# Allegro board RK_NVR_DEMO1_RK3588_LP4XD200P232SD8_V21_20211228_final_lint.brd (continued)
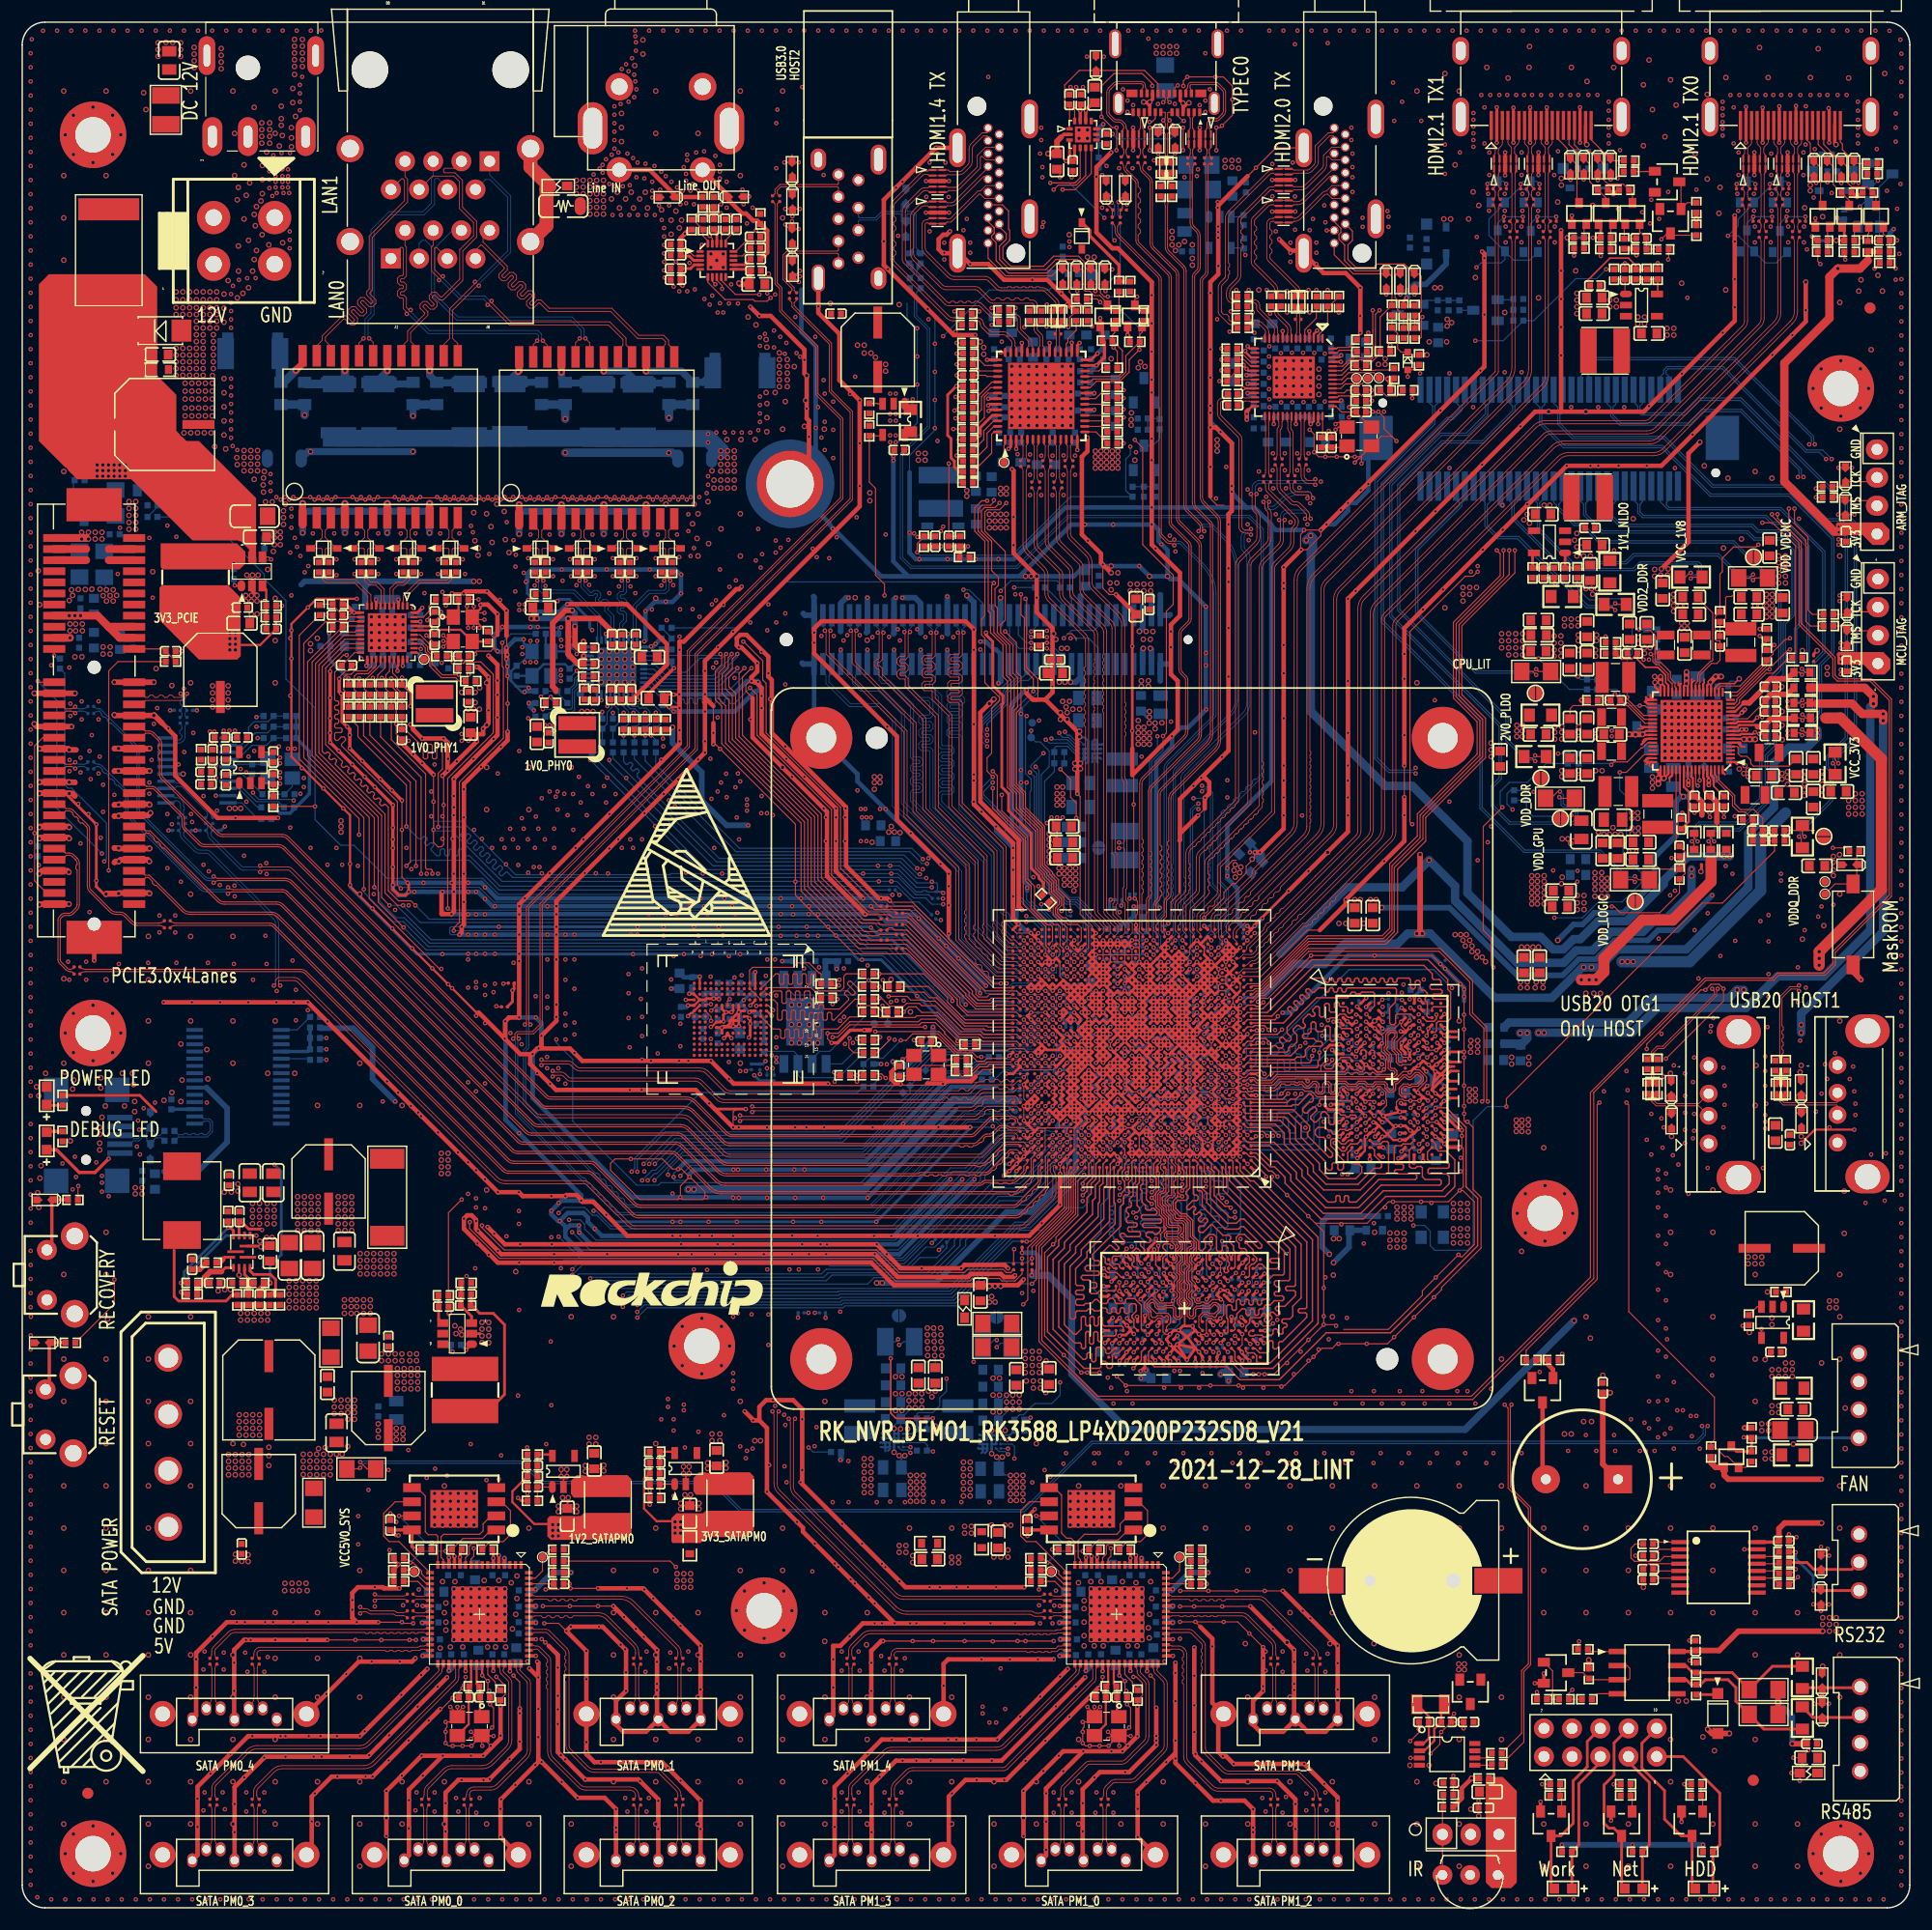
[diagram p0: board, top side]
## Nets (continued)
GND: C1000.2 C1001.2 C1002.2 C1003.2 C1004.2 C1005.2 C1006.2 C1007.2 C1010.2 C1013.2 C1014.2 C1015.2 C1016.2 C1017.2 C1018.2 C1019.2 C1020.2 C1022.2 C1023.2 C1024.2 C1025.2 C1027.2 C1028.2 C1029.2 C1030.2 C1031.2 C1032.2 C1033.2 C1034.2 C1035.2 C1036.2 C1037.2 C1038.2 C1039.2 C1040.2 C1041.2 C1042.2 C1043.2 C1045.2 C1046.2 C1047.2 C1048.2 C1049.2 C1050.2 C1051.2 C1052.2 C1054.2 C1057.2 C1058.2 C1059.2 C1060.2 C1061.2 C1062.2 C1063.2 C1064.2 C1065.2 C1066.2 C1069.2 C1070.2 C1071.2 C1072.2 C1073.2 C1080.2 C1081.2 C1082.2 C1083.2 C1085.2 C1086.2 C1100.2 C1101.2 C1102.2 C1103.2 C1104.2 C1105.2 C1106.2 C1107.2 C1109.2 C1110.2 C1111.2 C1112.2 C1113.2 C1200.2 C1201.2 C1202.2 C1203.2 C1204.2 C1205.2 C1206.2 C1207.2 C1208.2 C1209.2 C1210.2 C1211.2 C1212.2 C1213.2 C1214.2 C1215.2 C1216.2 C1217.2 C1218.2 C1219.2 C1220.2 C1221.2 C1223.2 C1224.2 C1225.2 C1226.2 C1227.2 C1228.2 C1229.2 C1231.2 C1232.2 C1300.2 C1301.2 C1302.2 C1404.2 C1405.2 C1406.2 C1407.2 C1412.2 C1417.2 C1418.2 C1419.2 C1420.2 C1421.2 C1422.2 C1423.2 C1500.2 C1501.2 C1502.2 C1503.2 C1504.2 C1505.2 C1506.2 C1600.2 C1601.2 C1602.2 C1603.2 C1604.2 C1606.2 C1607.2 C1608.2 C1609.2 C1610.2 C1611.2 C1709.2 C1710.2 C1711.2 C1713.2 C1714.2 C1715.2 C1724.2 C1725.2 C1726.2 C1727.2 C1729.2 C1730.2 C1731.2 C1801.2 C1803.2 C1804.2 C1805.2 C1806.2 C1807.2 C1808.2 C1810.2 C1812.2 C1813.2 C1814.2 C1815.2 C1816.2 C1819.2 C1901.2 C1902.2 C1903.2 C1905.2 C2000.2 C2001.2 C2002.2 C2003.2 C2004.2 C2005.2 C2006.2 C2007.2 C2009.2 C2010.2 C2011.2 C2012.2 C2013.2 C2014.2 C2015.2 C2017.2 C2019.2 C2020.2 C2022.2 C2023.2 C2024.2 C2025.2 C2027.2 C2028.2 C2030.2 C2032.2 C2033.2 C2034.2 C2035.2 C2100.2 C2102.2 C2103.2 C2104.2 C2105.2 C2106.2 C2107.2 C2109.2 C2110.2 C2111.2 C2114.2 C2115.2 C2116.2 C2117.2 C2120.2 C2121.2 C2122.2 C2123.2 C2126.2 C2127.2 C2128.2 C2129.2 C2130.2 C2133.2 C2134.2 C2135.2 C2136.2 C2138.2 C2139.2 C2140.2 C2141.2 C2142.2 C2144.2 C2145.2 C2146.2 C2147.2 C2148.2 C2149.2 C2150.2 C2151.2 C2152.2 C2153.2 C2154.2 C2155.2 C2156.2 C2157.2 C2158.2 C2159.2 C2160.2 C2161.2 C2162.2 C2163.2 C2164.2 C2165.2 C2166.2 C2167.2 C2168.2 C2169.2 C2170.2 C2171.2 C2172.2 C2173.2 C2200.2 C2201.2 C2202.2 C2203.2 C2205.2 C2206.2 C2207.2 C2208.2 C2209.2 C2211.2 C2212.2 C2213.2 C2214.2 C2215.2 C2218.2 C2219.2 C2221.2 C2222.2 C2223.2 C2224.2 C2225.2 C2227.2 C2228.2 C2229.2 C2230.2 C2503.2 C2504.2 C2505.2 C2506.2 C2507.2 C2508.2 C2511.2 C2512.2 C2513.2 C2515.2 C2516.2 C2517.2 C2518.2 C2519.2 C2520.2 C2521.2 C2526.2 C2528.2 C3800.2 C3801.2 C3802.2 C3803.2 C3804.2 C3805.2 C3806.2 C3807.2 C3808.2 C3809.2 C3810.2 C3811.2 C3812.2 C3813.2 C3814.2 C3815.2 C3816.2 C3817.2 C3818.2 C3819.2 C3820.2 C3821.2 C3822.2 C3823.2 C3824.2 C3825.2 C3826.2 C3827.2 C3828.2 C3829.2 C3830.2 C3831.2 C3832.2 C3833.2 C3834.2 C3835.2 C3836.2 C3837.2 C3838.2 C3839.2 C3840.2 C3841.2 C3842.2 C3843.2 C3844.2 C3845.2 C3846.2 C3847.2 C3848.2 C3849.2 C3850.2 C3851.2 C3852.2 C3853.2 C3854.2 C3855.2 C3856.2 C3857.2 C3858.2 C3859.2 C3860.2 C3861.2 C3862.2 C3863.2 C3864.2 C3865.2 C3866.2 C3867.2 C3868.2 C3869.2 C3870.2 C3871.2 C3872.2 C3873.2 C3874.2 C3875.2 C3876.2 C3877.2 C3878.2 C3879.2 C3880.2 C3881.2 C3882.2 C3883.2 C3884.2 C3885.2 C3886.2 C3887.2 C3888.2 C4000.2 C4001.2 C4002.2 C4003.2 C4004.2 C4005.2 C4006.2 C4007.2 C4008.2 C4009.2 C4010.2 C4300.2 C4301.2 C4700.2 C4701.2 C4702.2 C4703.2 C4704.2 C4705.2 C4706.2 C4707.2 C5000.2 C5001.2 C5102.2 C5104.2 C5105.2 C5106.2 C5107.2 C5109.2 C5110.2 C5111.2 C5112.2 C5113.2 C5114.2 C5115.2 C5116.2 C5117.2 C5118.2 C5119.2 C5121.2 C5122.2 C5123.2 C5124.2 C5125.2 C5126.2 C5127.2 C5128.2 C5129.2 C5130.2 C5131.2 C5132.2 C5133.2 C5134.2 C5135.2 C5136.2 C5137.2 C5138.2 C5139.2 C5140.2 C5141.2 C5142.2 C5500.2 C5502.2 C5503.2 C5505.2 C5506.2 C5507.2 C5508.2 C5509.2 C5510.2 C5511.2 C5512.2 C5513.2 C5514.2 C5516.2 C5517.2 C5518.2 C5519.2 C5520.2 C5521.2 C5522.2 C5523.2 C5524.2 C5525.2 C5526.2 C5527.2 C5528.2 C5529.2 C5530.2 C5531.2 C5532.2 C5533.2 C6700.2 C6701.2 C6702.2 C6703.2 C6704.2 C6705.2 C6706.2 C6707.2 C6708.2 C6709.2 C6710.2 C6711.2 C6712.2 C6713.2 C6714.2 C6715.2 C6716.2 C6717.2 C6718.2 C6719.2 C6720.2 C6721.2 C6722.2 C6723.2 C6724.2 C6726.2 C6800.2 C6801.2 C6802.2 C6803.2 C6804.2 C6805.2 C6806.2 C6807.2 C6808.2 C6809.2 C6810.2 C6811.2 C6812.2 C6813.2 C6814.2 C6815.2 C6816.2 C6817.2 C6818.2 C6819.2 C6820.2 C6821.2 C6822.2 C6823.2 C6826.2 C7001.2 C7002.2 C7003.2 C7004.2 C7006.2 C7007.2 C7008.2 C7009.2 C7010.2 C7011.2 C7012.2 C8204.2 C8209.2 C8211.2 C8213.2 C8224.2 C8226.2 C8227.2 C8228.2 C8229.2 C8230.2 C8231.2 C8232.2 C8233.2 C8234.2 C8235.2 C8236.2 C8237.2 C8242.2 C8244.2 C8245.2 C8246.2 C8247.2 C8248.2 C8249.2 C8250.2 C8251.2 C8252.2 C8253.2 C8254.2 C8255.2 C8304.2 C8308.2 C8311.2 C8313.2 C8324.2 C8325.2 C8326.2 C8327.2 C8328.2 C8329.2 C8330.2 C8331.2 C8332.2 C8333.2 C8334.2 C8339.2 C8340.2 C8341.2 C8342.2 C8343.2 C8344.2 C8345.2 C8346.2 C8347.2 C8348.2 C8349.2 C8400.2 C8409.2 C8410.2 C8411.2 C8412.2 C8413.2 C8414.2 C8415.2 C8416.2 C8417.2 C8418.2 C8419.2 C8420.2 C8421.2 C8422.2 C8423.2 C8424.2 C8425.2 C8426.2 C8427.2 C8429.2 C8431.2 C8432.2 C8433.2 C8435.2 C8436.2 C8437.2 C9000.2 C9001.2 C9002.2 C9100.2 C9101.2 C9102.2 C9103.2 C9104.2 C9105.2 C9106.2 C9500.2 C9502.2 C9504.1 C9505.2 C9507.1 C9900.2 C9901.2 D1500.2 D2000.1(A) D2504.2 D2505.2 D2506.2 D2507.2 D2508.2 D2509.2 D2510.2 D2511.2 D2512.2 D2513.2 D2514.2 D2515.2 D2516.2 D2517.2 D2518.2 D2519.2 D6700.2 D6701.2 D6702.2 D6703.2 D6704.2 D6705.2 D6706.2 D6707.2 D6800.2 D6801.2 D6802.2 D6803.2 D6804.2 D6805.2 D6806.2 D6807.2 D7000.2 D7001.2 D9100.2 D9101.2 D9102.2 D9103.2 D9104.2 D9105.2 D9200.2 D9201.2 ED2100.2 ED2500.3(GND#3) ED2500.8(GND#8) ED2501.3(GND#3) ED2501.8(GND#8) ED5000.3(GND#3) ED5000.8(GND#8) ED5001.3(GND#3) ED5001.8(GND#8) ED5002.2 ED5003.2 ED5004.2 ED5005.2 ED5006.3(GND#3) ED5006.8(GND#8) ED5007.3(GND#3) ED5007.8(GND#8) ED5008.2 ED5009.2 ED5010.2 ED5011.2 ED5100.3(GND#3) ED5100.8(GND#8) ED5101.3(GND#3) ED5101.8(GND#8) ED5102.2 ED5103.2 ED5104.2 ED5500.3(GND#3) ED5500.8(GND#8) ED5501.3(GND#3) ED5501.8(GND#8) ED5502.2 ED5503.2 ED5504.2 ED5505.2 ED9500.2 ED9501.2 ED9502.2 ED9503.2 FB6700.1 FB9500.2 H9900.1 H9901.1 H9902.1 H9903.1 H9904.1 H9905.1 H9906.1 H9907.1 IR9000.2(G) J2000.2 J2000.3 J2000.4 J2000.5 J2001.1(COM1) J2001.2(COM2) J2002.2(GND1) J2002.3(GND2) J2201.2 J2500.A1(GND#A1) J2500.A12(GND#A12) J2500.B1(GND#B1) J2500.B12(GND#B12) J2500.H1(HOLE_1) J2500.H2(HOLE_2) J2500.H3(HOLE_3) J2500.H4(HOLE_4) J2501.4(GND4) J2501.7(GND) J2501.10(G1) J2501.11(G2) J2501.12(G3) J2501.13(G4) J2502.4 J2502.5 J2502.6 J2503.4 J2503.5 J2503.6 J5000.2(D2_G) J5000.5(D1_G) J5000.8(D0_G) J5000.11(CLK_G) J5000.17(GND) J5000.20(G1) J5000.21(G2) J5000.22(G3) J5000.23(G4) J5001.2(D2_G) J5001.5(D1_G) J5001.8(D0_G) J5001.11(CLK_G) J5001.17(GND) J5001.20(G1) J5001.21(G2) J5001.22(G3) J5001.23(G4) J5100.2(D2_G) J5100.5(D1_G) J5100.8(D0_G) J5100.11(CLK_G) J5100.17(GND) J5100.20(G1) J5100.21(G2) J5100.22(G3) J5100.23(G4) J5500.2(D2_G) J5500.5(D1_G) J5500.8(D0_G) J5500.11(CLK_G) J5500.17(GND) J5500.20(G1) J5500.21(G2) J5500.22(G3) J5500.23(G4) J7000.1 J7000.4 J8200.1(GND1) J8200.4(GND2) J8200.7(GND3) J8200.8(GND4) J8200.9(GND5) J8201.1(GND1) J8201.4(GND2) J8201.7(GND3) J8201.8(GND4) J8201.9(GND5) J8202.1(GND1) J8202.4(GND2) J8202.7(GND3) J8202.8(GND4) J8202.9(GND5) J8203.1(GND1) J8203.4(GND2) J8203.7(GND3) J8203.8(GND4) J8203.9(GND5) J8204.1(GND1) J8204.4(GND2) J8204.7(GND3) J8204.8(GND4) J8204.9(GND5) J8300.1(GND1) J8300.4(GND2) J8300.7(GND3) J8300.8(GND4) J8300.9(GND5) J8301.1(GND1) J8301.4(GND2) J8301.7(GND3) J8301.8(GND4) J8301.9(GND5) J8302.1(GND1) J8302.4(GND2) J8302.7(GND3) J8302.8(GND4) J8302.9(GND5) J8303.1(GND1) J8303.4(GND2) J8303.7(GND3) J8303.8(GND4) J8303.9(GND5) J8304.1(GND1) J8304.4(GND2) J8304.7(GND3) J8304.8(GND4) J8304.9(GND5) J8400.1(G1) J8400.2(G2) J8400.A1(PRSNT1#) J8400.A4(GND_A4) J8400.A12(GND_A12) J8400.A15(GND_A15) J8400.A18(GND_A18) J8400.A20(GND_A20) J8400.A23(GND_A23) J8400.A24(GND_A24) J8400.A27(GND_A27) J8400.A28(GND_A28) J8400.A31(GND_A31) J8400.B4(GND_B4) J8400.B7(GND_B7) J8400.B13(GND_B13) J8400.B16(GND_B16) J8400.B18(GND_B18) J8400.B21(GND_B21) J8400.B22(GND_B22) J8400.B25(GND_B25) J8400.B26(GND_B26) J8400.B29(GND_B29) J8400.B32(GND_B32) J9000.2 J9100.5(GND) J9100.6(G1) J9100.7(G2) J9100.8(G3) J9100.9(G4) J9101.1 J9102.1 J9501.1 J9800.1(GND1) J9800.2(GND2) J9800.7(GND3) J9800.8(GND4) J9800.13(GND5) J9800.14(GND6) J9800.19(GND7) J9800.20(GND8) J9800.25(GND9) J9800.26(GND10) J9800.35(GND11) J9800.36(GND12) J9800.41(GND13) J9800.42(GND14) J9800.47(GND15) J9800.48(GND16) J9800.53(GND17) J9800.54(GND18) J9800.59(GND19) J9800.61 J9800.62 J9901.1 J9901.2 J9901.3 J9901.4 LED2000.2(CATHODE) Q1700.2(SOURCE) Q1701.2(SOURCE) Q1702.2(SOURCE) Q1703.2(SOURCE) Q1704.2(SOURCE) Q1705.2(SOURCE) Q1706.2(SOURCE) Q1707.2(SOURCE) Q5006.2(EMITTER) Q5007.2(EMITTER) Q5008.2(EMITTER) Q5009.2(EMITTER) Q5101.2(EMITTER) Q5503.2(EMITTER) Q7000.2(EMITTER) Q8401.2(EMITTER) Q9000.2(EMITTER) Q9001.2(EMITTER) Q9002.2(EMITTER) Q9500.2(EMITTER) R1110.2 R1114.2 R1400.2 R1401.2 R1402.2 R1403.2 R1404.2 R1405.2 R1510.2 R1708.2 R1717.2 R1800.2 R1801.2 R2002.2 R2008.2 R2013.2 R2018.2 R2020.2 R2023.2 R2101.2 R2126.2 R2134.2 R2140.2 R2150.2 R2205.2 R2501.2 R2505.2 R2510.2 R2511.2 R2515.2 R2516.2 R2517.2 R2529.2 R2532.2 R2535.2 R2536.2 R4004.2 R5027.2 R5028.2 R5100.2 R5113.2 R5114.2 R5116.2 R5117.2 R5118.2 R5119.2 R5130.2 R5133.2 R5139.2 R5506.2 R5507.2 R5508.2 R5510.2 R5511.2 R5513.2 R5531.2 R5533.2 R5534.2 R5535.2 R5536.2 R5537.2 R5539.2 R5541.2 R5551.2 R5554.2 R6702.2 R6715.2 R6716.2 R6718.2 R6720.2 R6721.2 R6722.2 R6724.2 R6725.2 R6726.2 R6728.2 R6731.2 R6802.2 R6815.2 R6816.2 R6818.2 R6820.2 R6821.2 R6823.2 R6825.2 R6826.2 R6828.2 R6831.2 R7001.2 R7003.2 R7004.2 R7006.2 R8202.1 R8206.2 R8214.2 R8217.2 R8302.1 R8306.2 R8406.2 R8407.2 R8409.2 R8411.2 R8413.2 R8418.2 R8419.2 R8421.2 R8425.2 R8426.2 R8431.2 R8433.2 R8435.2 R9009.2 R9010.2 R9011.2 R9103.2 R9301.2 R9508.2 R9510.2 SMTSO9900.1 SW1500.2 SW9200.2 SW9200.3 SW9200.4 SW9201.2 SW9201.3 SW9201.4 TP1301.1 TP1303.1 TP1501.1 TP1503.1 U1000.A1(VSS_1) U1000.A11(VSS_2) U1000.A14(VSS_3) U1000.A34(VSS_4) U1000.AA3(VSS_248) U1000.AA6(VSS_249) U1000.AA8(AVSS_15) U1000.AA10(AVSS_16) U1000.AA11(VSS_250) U1000.AA16(VSS_251) U1000.AA17(VSS_252) U1000.AA18(VSS_253) U1000.AA19(VSS_254) U1000.AA20(VSS_255) U1000.AA21(VSS_256) U1000.AA22(VSS_257) U1000.AA23(VSS_258) U1000.AA24(VSS_259) U1000.AA31(VSS_260) U1000.AB3(VSS_261) U1000.AB5(VSS_262) U1000.AB6(AVSS_17) U1000.AB7(AVSS_18) U1000.AB8(AVSS_19) U1000.AB10(AVSS_20) U1000.AB11(VSS_263) U1000.AB16(VSS_264) U1000.AB17(VSS_265) U1000.AB18(VSS_266) U1000.AB19(VSS_267) U1000.AB20(VSS_268) U1000.AB24(VSS_269) U1000.AB27(VSS_270) U1000.AB29(VSS_271) U1000.AB32(VSS_272) U1000.AC3(VSS_273) U1000.AC4(VSS_274) U1000.AC5(AVSS_21) U1000.AC8(AVSS_22) U1000.AC10(AVSS_23) U1000.AC11(VSS_275) U1000.AC12(VSS_276) U1000.AC16(VSS_277) U1000.AC20(VSS_278) U1000.AC21(VSS_279) U1000.AC24(VSS_280) U1000.AC27(VSS_281) U1000.AD5(AVSS_24) U1000.AD8(AVSS_25) U1000.AD10(AVSS_26) U1000.AD11(VSS_282) U1000.AD12(VSS_283) U1000.AD16(VSS_284) U1000.AD20(VSS_285) U1000.AD21(VSS_286) U1000.AD24(VSS_287) U1000.AD25(VSS_288) U1000.AD26(VSS_289) U1000.AE3(VSS_290) U1000.AE6(AVSS_27) U1000.AE7(AVSS_28) U1000.AE9(AVSS_29) U1000.AE11(VSS_291) U1000.AE12(VSS_292) U1000.AE13(VSS_293) U1000.AE14(VSS_294) U1000.AE15(VSS_295) U1000.AE16(VSS_296) U1000.AE18(VSS_297) U1000.AE19(VSS_298) U1000.AE20(VSS_299) U1000.AE21(VSS_300) U1000.AE24(VSS_301) U1000.AE26(VSS_302) U1000.AF4(AVSS_30) U1000.AF7(AVSS_31) U1000.AF8(AVSS_32) U1000.AF11(AVSS_33) U1000.AF12(AVSS_34) U1000.AF13(AVSS_35) U1000.AF14(AVSS_36) U1000.AF15(AVSS_37) U1000.AF16(AVSS_38) U1000.AF21(AVSS_39) U1000.AF22(VSS_303) U1000.AF24(VSS_304) U1000.AF25(VSS_305) U1000.AF27(VSS_306) U1000.AF28(VSS_307) U1000.AF29(VSS_308) U1000.AF30(VSS_309) U1000.AF31(VSS_310) U1000.AF32(VSS_311) U1000.AG3(AVSS_40) U1000.AG6(AVSS_41) U1000.AG7(AVSS_42) U1000.AG10(AVSS_43) U1000.AG12(AVSS_44) U1000.AG15(AVSS_45) U1000.AG18(AVSS_46) U1000.AG21(AVSS_47) U1000.AG22(AVSS_48) U1000.AG30(VSS_312) U1000.AH4(AVSS_49) U1000.AH8(AVSS_50) U1000.AH11(AVSS_51) U1000.AH12(AVSS_52) U1000.AH15(AVSS_53) U1000.AH21(AVSS_54) U1000.AH22(AVSS_55) U1000.AH23(AVSS_56) U1000.AJ3(AVSS_57) U1000.AJ7(AVSS_58) U1000.AJ8(AVSS_59) U1000.AJ9(AVSS_60) U1000.AJ11(AVSS_61) U1000.AJ12(AVSS_62) U1000.AJ15(AVSS_63) U1000.AJ16(AVSS_64) U1000.AJ18(AVSS_65) U1000.AJ21(AVSS_66) U1000.AJ22(AVSS_67) U1000.AJ23(AVSS_68) U1000.AJ30(VSS_313) U1000.AK4(AVSS_69) U1000.AK5(AVSS_70) U1000.AK7(AVSS_71) U1000.AK10(AVSS_72) U1000.AK11(AVSS_73) U1000.AK12(AVSS_74) U1000.AK13(AVSS_75) U1000.AK14(AVSS_76) U1000.AK23(AVSS_77) U1000.AK28(VSS_314) U1000.AK29(VSS_315) U1000.AL3(AVSS_78) U1000.AL4(AVSS_79) U1000.AL5(AVSS_80) U1000.AL11(AVSS_81) U1000.AL13(AVSS_82) U1000.AL23(AVSS_83) U1000.AL25(VSS_316) U1000.AM4(AVSS_84) U1000.AM8(AVSS_85) U1000.AM9(AVSS_86) U1000.AM18(AVSS_87) U1000.AM20(AVSS_88) U1000.AM22(AVSS_89) U1000.AM23(AVSS_90) U1000.AM24(AVSS_91) U1000.AM26(AVSS_92) U1000.AM28(AVSS_93) U1000.AM30(VSS_317) U1000.AN7(AVSS_94) U1000.AN12(AVSS_95) U1000.AN23(AVSS_96) U1000.AN31(AVSS_97) U1000.AP1(AVSS_98) U1000.AP17(AVSS_99) U1000.AP23(AVSS_100) U1000.AP34(AVSS_101) U1000.B6(VSS_5) U1000.B19(VSS_6) U1000.B24(VSS_7) U1000.B27(VSS_8) U1000.B33(VSS_9) U1000.C3(VSS_10) U1000.C4(VSS_11) U1000.C5(VSS_12) U1000.C6(VSS_13) U1000.C7(VSS_14) U1000.C8(VSS_15) U1000.C9(VSS_16) U1000.C10(VSS_17) U1000.C11(VSS_18) U1000.C12(VSS_19) U1000.C13(VSS_20) U1000.C14(VSS_21) U1000.C15(VSS_22) U1000.C16(VSS_23) U1000.C17(VSS_24) U1000.C18(VSS_25) U1000.C20(VSS_26) U1000.C21(VSS_27) U1000.C22(VSS_28) U1000.C23(VSS_29) U1000.C26(VSS_30) U1000.C28(VSS_31) U1000.C30(VSS_32) U1000.C32(VSS_33) U1000.D3(VSS_34) U1000.D23(VSS_35) U1000.D24(VSS_36) U1000.D31(VSS_37) U1000.E3(VSS_38) U1000.E6(VSS_39) U1000.E8(VSS_40) U1000.E12(VSS_41) U1000.E18(VSS_42) U1000.E20(VSS_43) U1000.E22(VSS_44) U1000.E23(VSS_45) U1000.E32(VSS_46) U1000.F3(VSS_47) U1000.F7(VSS_48) U1000.F9(VSS_49) U1000.F10(VSS_50) U1000.F11(VSS_51) U1000.F13(VSS_52) U1000.F14(VSS_53) U1000.F15(VSS_54) U1000.F16(VSS_55) U1000.F19(VSS_56) U1000.F20(VSS_57) U1000.F21(VSS_58) U1000.F22(VSS_59) U1000.F23(VSS_60) U1000.F31(VSS_61) U1000.G3(VSS_62) U1000.G6(VSS_63) U1000.G10(VSS_64) U1000.G15(VSS_65) U1000.G19(VSS_66) U1000.G21(VSS_67) U1000.G22(VSS_68) U1000.G25(VSS_69) U1000.G32(VSS_70) U1000.H3(VSS_71) U1000.H6(VSS_72) U1000.H10(VSS_73) U1000.H12(VSS_74) U1000.H14(VSS_75) U1000.H19(VSS_76) U1000.H22(VSS_77) U1000.H25(VSS_78) U1000.H26(VSS_79) U1000.H28(AVSS_1) U1000.H31(AVSS_2) U1000.J3(VSS_80) U1000.J4(VSS_81) U1000.J5(VSS_82) U1000.J6(VSS_83) U1000.J10(VSS_84) U1000.J11(VSS_85) U1000.J12(VSS_86) U1000.J13(VSS_87) U1000.J14(VSS_88) U1000.J15(VSS_89) U1000.J16(VSS_90) U1000.J18(VSS_91) U1000.J19(VSS_92) U1000.J20(VSS_93) U1000.J21(VSS_94) U1000.J22(VSS_95) U1000.J23(VSS_96) U1000.J24(VSS_97) U1000.J25(VSS_98) U1000.J27(AVSS_3) U1000.J28(AVSS_4) U1000.J29(AVSS_5) U1000.J32(AVSS_6) U1000.K3(VSS_99) U1000.K6(VSS_100) U1000.K8(VSS_101) U1000.K9(VSS_102) U1000.K18(VSS_103) U1000.K21(VSS_104) U1000.K22(VSS_105) U1000.K26(AVSS_7) U1000.K31(AVSS_8) U1000.K32(AVSS_9) U1000.L1(VSS_106) U1000.L3(VSS_107) U1000.L6(VSS_108) U1000.L9(VSS_109) U1000.L16(DDR_CH1_PLL_AVSS) U1000.L19(VSS_110) U1000.L20(VSS_111) U1000.L21(VSS_112) U1000.L22(VSS_113) U1000.L25(VSS_114) U1000.L26(AVSS_10) U1000.L31(AVSS_11) U1000.M3(VSS_115) U1000.M6(VSS_116) U1000.M9(VSS_117) U1000.M11(DDR_CH0_PLL_AVSS) U1000.M14(VSS_118) U1000.M15(VSS_119) U1000.M18(VSS_120) U1000.M20(VSS_121) U1000.M22(VSS_122) U1000.M25(VSS_123) U1000.M26(AVSS_12) U1000.M29(TVSS) U1000.M32(AVSS_13) U1000.N3(VSS_124) U1000.N6(VSS_125) U1000.N9(VSS_126) U1000.N11(VSS_127) U1000.N14(VSS_128) U1000.N15(VSS_129) U1000.N18(VSS_130) U1000.N20(VSS_131) U1000.N22(VSS_132) U1000.N25(VSS_133) U1000.N26(VSS_134) U1000.N29(VSS_135) U1000.N32(AVSS_14) U1000.P1(VSS_136) U1000.P3(VSS_137) U1000.P6(VSS_138) U1000.P8(VSS_139) U1000.P9(VSS_140) U1000.P11(VSS_141) U1000.P14(VSS_142) U1000.P15(VSS_143) U1000.P18(VSS_144) U1000.P19(VSS_145) U1000.P20(VSS_146) U1000.P21(VSS_147) U1000.P22(VSS_148) U1000.P25(VSS_149) U1000.P26(VSS_150) U1000.P34(VSS_151) U1000.R3(VSS_152) U1000.R5(VSS_153) U1000.R8(VSS_154) U1000.R9(VSS_155) U1000.R11(VSS_156) U1000.R13(VSS_157) U1000.R15(VSS_158) U1000.R18(VSS_159) U1000.R19(VSS_160) U1000.R20(VSS_161) U1000.R21(VSS_162) U1000.R22(VSS_163) U1000.R23(VSS_164) U1000.R24(VSS_165) U1000.R25(VSS_166) U1000.R26(VSS_167) U1000.R28(VSS_168) U1000.R33(VSS_169) U1000.T3(VSS_170) U1000.T6(VSS_171) U1000.T9(VSS_172) U1000.T11(VSS_173) U1000.T13(VSS_174) U1000.T15(VSS_175) U1000.T18(VSS_176) U1000.T19(VSS_177) U1000.T20(VSS_178) U1000.T23(VSS_179) U1000.T24(VSS_180) U1000.T25(VSS_181) U1000.T26(VSS_182) U1000.T27(VSS_183) U1000.T33(VSS_184) U1000.U3(VSS_185) U1000.U12(VSS_186) U1000.U13(VSS_187) U1000.U15(VSS_188) U1000.U16(VSS_189) U1000.U17(VSS_190) U1000.U19(PLL_AVSS) U1000.U20(VSS_191) U1000.U23(VSS_192) U1000.U24(VSS_193) U1000.U30(VSS_194) U1000.U31(VSS_195) U1000.U34(VSS_196) U1000.V3(VSS_197) U1000.V4(VSS_198) U1000.V5(VSS_199) U1000.V8(VSS_200) U1000.V9(VSS_201) U1000.V10(VSS_202) U1000.V11(VSS_203) U1000.V15(VSS_204) U1000.V18(VSS_205) U1000.V19(VSS_206) U1000.V23(VSS_207) U1000.V24(VSS_208) U1000.V25(VSS_209) U1000.V27(VSS_210) U1000.V30(VSS_211) U1000.W2(VSS_212) U1000.W3(VSS_213) U1000.W6(VSS_214) U1000.W7(VSS_215) U1000.W9(VSS_216) U1000.W10(VSS_217) U1000.W11(VSS_218) U1000.W12(VSS_219) U1000.W15(VSS_220) U1000.W16(VSS_221) U1000.W17(VSS_222) U1000.W18(VSS_223) U1000.W19(VSS_224) U1000.W20(VSS_225) U1000.W23(VSS_226) U1000.W24(VSS_227) U1000.W27(VSS_228) U1000.Y3(VSS_229) U1000.Y5(VSS_230) U1000.Y6(VSS_231) U1000.Y8(VSS_232) U1000.Y9(VSS_233) U1000.Y10(VSS_234) U1000.Y11(VSS_235) U1000.Y12(VSS_236) U1000.Y13(VSS_237) U1000.Y14(VSS_238) U1000.Y15(VSS_239) U1000.Y16(VSS_240) U1000.Y17(VSS_241) U1000.Y18(VSS_242) U1000.Y19(VSS_243) U1000.Y20(VSS_244) U1000.Y23(VSS_245) U1000.Y24(VSS_246) U1000.Y28(VSS_247) U2000.2(PGND) U2000.10(AGND) U2001.2(GND) U2002.2(GND) U2100.69(EPAD) U2200.B2(GND1) U2200.B3(GND2) U2200.B4(AGND) U2200.C1(GND3) U2200.C2(GND4) U2200.C3(GND5) U2200.C4(GND6) U2201.B2(GND1) U2201.B3(GND2) U2201.B4(AGND) U2201.C1(GND3) U2201.C2(GND4) U2201.C3(GND5) U2201.C4(GND6) U2202.B2(GND1) U2202.B3(GND2) U2202.B4(AGND) U2202.C1(GND3) U2202.C2(GND4) U2202.C3(GND5) U2202.C4(GND6) U2203.4(VSS) U2500.2(GND) U2501.2(GND) U2502.2(GND) U2503.8(GND_8) U2503.9(GND_9) U2503.15(EPAD) U3800.A3(VSS_1) U3800.A10(VSS_2) U3800.AB3(VSS_55) U3800.AB5(VSS_56) U3800.AB8(VSS_57) U3800.AB10(VSS_58) U3800.C1(VSS_3) U3800.C5(VSS_4) U3800.C8(VSS_5) U3800.C12(VSS_6) U3800.D2(VSS_7) U3800.D4(VSS_8) U3800.D9(VSS_9) U3800.D11(VSS_10) U3800.E1(VSS_11) U3800.E5(VSS_12) U3800.E8(VSS_13) U3800.E12(VSS_14) U3800.G1(VSS_15) U3800.G3(VSS_16) U3800.G5(VSS_17) U3800.G8(VSS_18) U3800.G10(VSS_19) U3800.G12(VSS_20) U3800.J1(VSS_21) U3800.J3(VSS_22) U3800.J10(VSS_23) U3800.J12(VSS_24) U3800.K2(VSS_25) U3800.K4(VSS_26) U3800.K9(VSS_27) U3800.K11(VSS_28) U3800.N2(VSS_29) U3800.N4(VSS_30) U3800.N9(VSS_31) U3800.N11(VSS_32) U3800.P1(VSS_33) U3800.P3(VSS_34) U3800.P10(VSS_35) U3800.P12(VSS_36) U3800.T1(VSS_37) U3800.T3(VSS_38) U3800.T5(VSS_39) U3800.T8(VSS_40) U3800.T10(VSS_41) U3800.T12(VSS_42) U3800.V1(VSS_43) U3800.V5(VSS_44) U3800.V8(VSS_45) U3800.V12(VSS_46) U3800.W2(VSS_47) U3800.W4(VSS_48) U3800.W9(VSS_49) U3800.W11(VSS_50) U3800.Y1(VSS_51) U3800.Y5(VSS_52) U3800.Y8(VSS_53) U3800.Y12(VSS_54) U3801.A3(VSS_1) U3801.A10(VSS_2) U3801.AB3(VSS_55) U3801.AB5(VSS_56) U3801.AB8(VSS_57) U3801.AB10(VSS_58) U3801.C1(VSS_3) U3801.C5(VSS_4) U3801.C8(VSS_5) U3801.C12(VSS_6) U3801.D2(VSS_7) U3801.D4(VSS_8) U3801.D9(VSS_9) U3801.D11(VSS_10) U3801.E1(VSS_11) U3801.E5(VSS_12) U3801.E8(VSS_13) U3801.E12(VSS_14) U3801.G1(VSS_15) U3801.G3(VSS_16) U3801.G5(VSS_17) U3801.G8(VSS_18) U3801.G10(VSS_19) U3801.G12(VSS_20) U3801.J1(VSS_21) U3801.J3(VSS_22) U3801.J10(VSS_23) U3801.J12(VSS_24) U3801.K2(VSS_25) U3801.K4(VSS_26) U3801.K9(VSS_27) U3801.K11(VSS_28) U3801.N2(VSS_29) U3801.N4(VSS_30) U3801.N9(VSS_31) U3801.N11(VSS_32) U3801.P1(VSS_33) U3801.P3(VSS_34) U3801.P10(VSS_35) U3801.P12(VSS_36) U3801.T1(VSS_37) U3801.T3(VSS_38) U3801.T5(VSS_39) U3801.T8(VSS_40) U3801.T10(VSS_41) U3801.T12(VSS_42) U3801.V1(VSS_43) U3801.V5(VSS_44) U3801.V8(VSS_45) U3801.V12(VSS_46) U3801.W2(VSS_47) U3801.W4(VSS_48) U3801.W9(VSS_49) U3801.W11(VSS_50) U3801.Y1(VSS_51) U3801.Y5(VSS_52) U3801.Y8(VSS_53) U3801.Y12(VSS_54) U4000.A6(VSS2) U4000.C4(VSS3) U4000.E7(VSS4) U4000.G5(VSS5) U4000.H10(VSS6) U4000.J5(VSS1) U4000.K8(VSSQ1) U4000.N2(VSSQ2) U4000.N5(VSSQ3) U4000.P4(VSSQ4) U4000.P6(VSSQ5) U4300.4(VSS) U4300.9(EPAD) U4700.1(GND1) U4700.2(GND19) U4700.7(GND2) U4700.8(GND18) U4700.13(GND3) U4700.14(GND17) U4700.19(GND4) U4700.20(GND16) U4700.25(GND5) U4700.26(GND15) U4700.31(GND6) U4700.32(GND14) U4700.37(GND7) U4700.38(GND13) U4700.43(GND8) U4700.44(GND12) U4700.75(GND9) U4700.76(GND11) U4700.78(GND10) U5100.57(EPAD) U5101.2(GND) U5500.57(EPAD) U5501.2(GND) U6701.41(E_PAD) U6801.41(E_PAD) U7000.5(DGND) U7000.10(AGND) U7000.21(EPAD) U8200.5(DGND_1) U8200.13(DGND_2) U8200.41(AGNDC) U8200.65(EPAD) U8201.4(VSS) U8201.9(EPAD) U8202.2(GND) U8203.2(GND) U8300.5(DGND_1) U8300.13(DGND_2) U8300.41(AGNDC) U8300.65(EPAD) U8301.4(VSS) U8301.9(EPAD) U8400.9(GNDXD) U8400.16(GNDODA) U8401.2(GND) U8402.2(GND) U9100.7(GND1) U9100.18(GND2) U9100.21(GND3) U9100.25(AGND) U9100.26(TEST) U9500.5(GND) U9501.15(GND) U9900.1(GND) Y1100.2(GND#2) Y1100.4(GND#4) Y5100.2(GND#2) Y5100.4(GND#4) Y6700.2(GND#2) Y6700.4(GND#4) Y6800.2(GND#2) Y6800.4(GND#4) Y8200.2(GND#2) Y8200.4(GND#4) Y8300.2(GND#2) Y8300.4(GND#4) Y8400.2(GND#2) Y8400.4(GND#4)
VBUS5V0_TYPEC0: C2504.1 C2505.1 C2516.1 C2528.1 J2500.A4(VBUS#A4) J2500.A9(VBUS#A9) J2500.B4(VBUS#B4) J2500.B9(VBUS#B9) R2505.1 R2539.2 U2503.2(VBUS)
VCC3V3_FT232_DEBUG: C9104.1 U9100.17(VO-3V3)
VCC3V3_IR: C9001.1 C9002.1 IR9000.3(VCC) J9000.3 R9002.2
VCC3V3_PCIE30: C8411.1 C8412.1 C8413.1 C8414.1 C8415.1 C8416.1 C8434.1 C8435.1 C8436.1 C8437.1 J8400.A9(+3.3V_2) J8400.A10(+3.3V_3) J8400.B8(+3.3V_1) J8400.B10(3.3VAUX) L8400.2 R8430.1
VCC3V3_PHY0: C6712.1 C6713.1 C6714.1 C6719.1 C6720.1 R6717.1 R6719.1 R6733.2 R6734.1 U6701.11(AVDD33#11) U6701.29(DVDD33) U6701.40(AVDD33#40)
VCC3V3_PHY1: C6811.1 C6812.1 C6813.1 C6818.1 C6819.1 R6817.1 R6819.1 R6833.2 R6834.1 U6801.11(AVDD33#11) U6801.29(DVDD33) U6801.40(AVDD33#40)
VCC3V3_PI6C_05: C8417.1 C8418.1 C8422.1 C8425.1 R8408.1 R8410.1 R8412.1 R8417.1 R8420.1 R8422.1 U8400.1(VDDXD) U8401.5(OUT)
VCC3V3_SATAPM0: C8209.1 C8225.1 C8226.1 C8227.1 C8228.1 C8229.1 C8230.1 C8231.1 C8232.1 C8233.1 C8234.1 C8235.1 C8236.1 L8200.2 R8200.1 R8203.1 R8204.1 R8205.1 R8208.1 R8209.1 R8210.1 R8211.2 R8213.1 R8215.1 R8311.1 U8200.6(DV33_1) U8200.12(DV33_2) U8200.26(AV33_5) U8200.32(AV33_4) U8200.38(AV33_3) U8200.43(AV33_C) U8200.49(AV33_0) U8200.55(AV33_2) U8200.61(AV33_1) U8201.8(VCC)
VCC3V3_SATAPM1: C8308.1 C8324.1 C8325.1 C8326.1 C8327.1 C8328.1 C8329.1 C8330.1 C8331.1 C8332.1 C8333.1 C8334.1 R8300.1 R8303.1 R8304.1 R8305.1 R8308.1 R8309.1 R8310.1 R8311.2 U8300.6(DV33_1) U8300.12(DV33_2) U8300.26(AV33_5) U8300.32(AV33_4) U8300.38(AV33_3) U8300.43(AV33_C) U8300.49(AV33_0) U8300.55(AV33_2) U8300.61(AV33_1) U8301.8(VCC)
VCC4V0_SYS: C2015.1 C2017.1 C2020.1 C2103.1 C2104.1 C2105.1 C2114.1 C2126.1 C2127.1 C2138.1 C2139.1 C2147.1 C2148.1 C2161.1 C2162.1 C2200.1 C2201.1 C2202.1 C2203.1 C2218.1 C2219.1 C5119.1 C5520.1 C8224.1 C8242.1 C8421.1 ED2100.1 R2006.2 R2136.1 R8212.1 U2000.5(VOUT) U2001.4(VIN) U2100.1(VCC9) U2100.7(VCC8) U2100.21(VCCA) U2100.22(VCC4) U2100.27(VCC10) U2100.28(VCC6) U2100.33(VCC2_1) U2100.34(VCC2_2) U2100.43(VCC7) U2100.44(VCC5) U2100.52(VCC1_1) U2100.53(VCC1_2) U2100.54(VCC3) U2100.64(VCC12) U2200.D1(VIN_1) U2200.D2(VIN_2) U2200.E1(VIN_3) U2200.E2(VIN_4) U2201.D1(VIN_1) U2201.D2(VIN_2) U2201.E1(VIN_3) U2201.E2(VIN_4) U2202.D1(VIN_1) U2202.D2(VIN_2) U2202.E1(VIN_3) U2202.E2(VIN_4) U5101.4(VIN) U5501.4(VIN) U8202.4(VIN) U8203.4(VIN) U8401.1(IN)
VCC4V0_SYS_P: C2011.1 C2012.1 C2013.1 C2014.1 C2026.2 L2000.2 R2006.1 R2007.1 R2017.1
VCC5V0_SYS: C2035.1 C2503.1 C2506.1 C2511.1 C2517.1 C2518.1 C4700.1 C4701.1 D5000.1(A) D5002.1(A) D5003.1(A) D5005.1(A) D5100.1(A) D5101.1(A) D5500.1(A) D5501.1(A) J9800.5(CH0-) Q5002.1(GATE) Q5005.1(GATE) R2001.1 R2024.2 R2513.1 R2526.1 R5010.1 R5022.1 R5120.1 R5540.1 R9900.1 R9905.1 U2500.5(IN) U2501.5(IN) U2502.5(IN) U2503.12(VCONN_12) U2503.13(VCONN_13) U4700.77(5V_0) U4700.79(5V_1)
VCC5V0_SYS_P: C2031.1 C2032.1 C2033.1 C2034.1 J9800.3(CH0+) L2002.2 R2022.1 R2024.1
VCC5V0_USB20_HOST: C2512.1 C2513.1 C2515.1 J2502.1 J2503.1 R2526.2 R2529.1 U2502.1(VOUT)
VCC5V0_USB30_HOST2: C2507.1 C2508.1 J2501.1(VBUS) R2513.2 R2515.1 U2501.1(VOUT)
VCC5V_FT232_DEBUG: C9102.1 C9103.1 J9100.1(5V) LED9100.1(ANODE) U9100.20(VDD-5V)
VCC5V_HDMI_TX0: C5000.1 D5002.2(K) J5000.18(+5V) R5010.2
VCC5V_HDMI_TX1: C5001.1 D5005.2(K) J5001.18(+5V) R5022.2